# Altium PCB OctopusPB_r0102.PcbDoc (part 3 of 10) (continued)
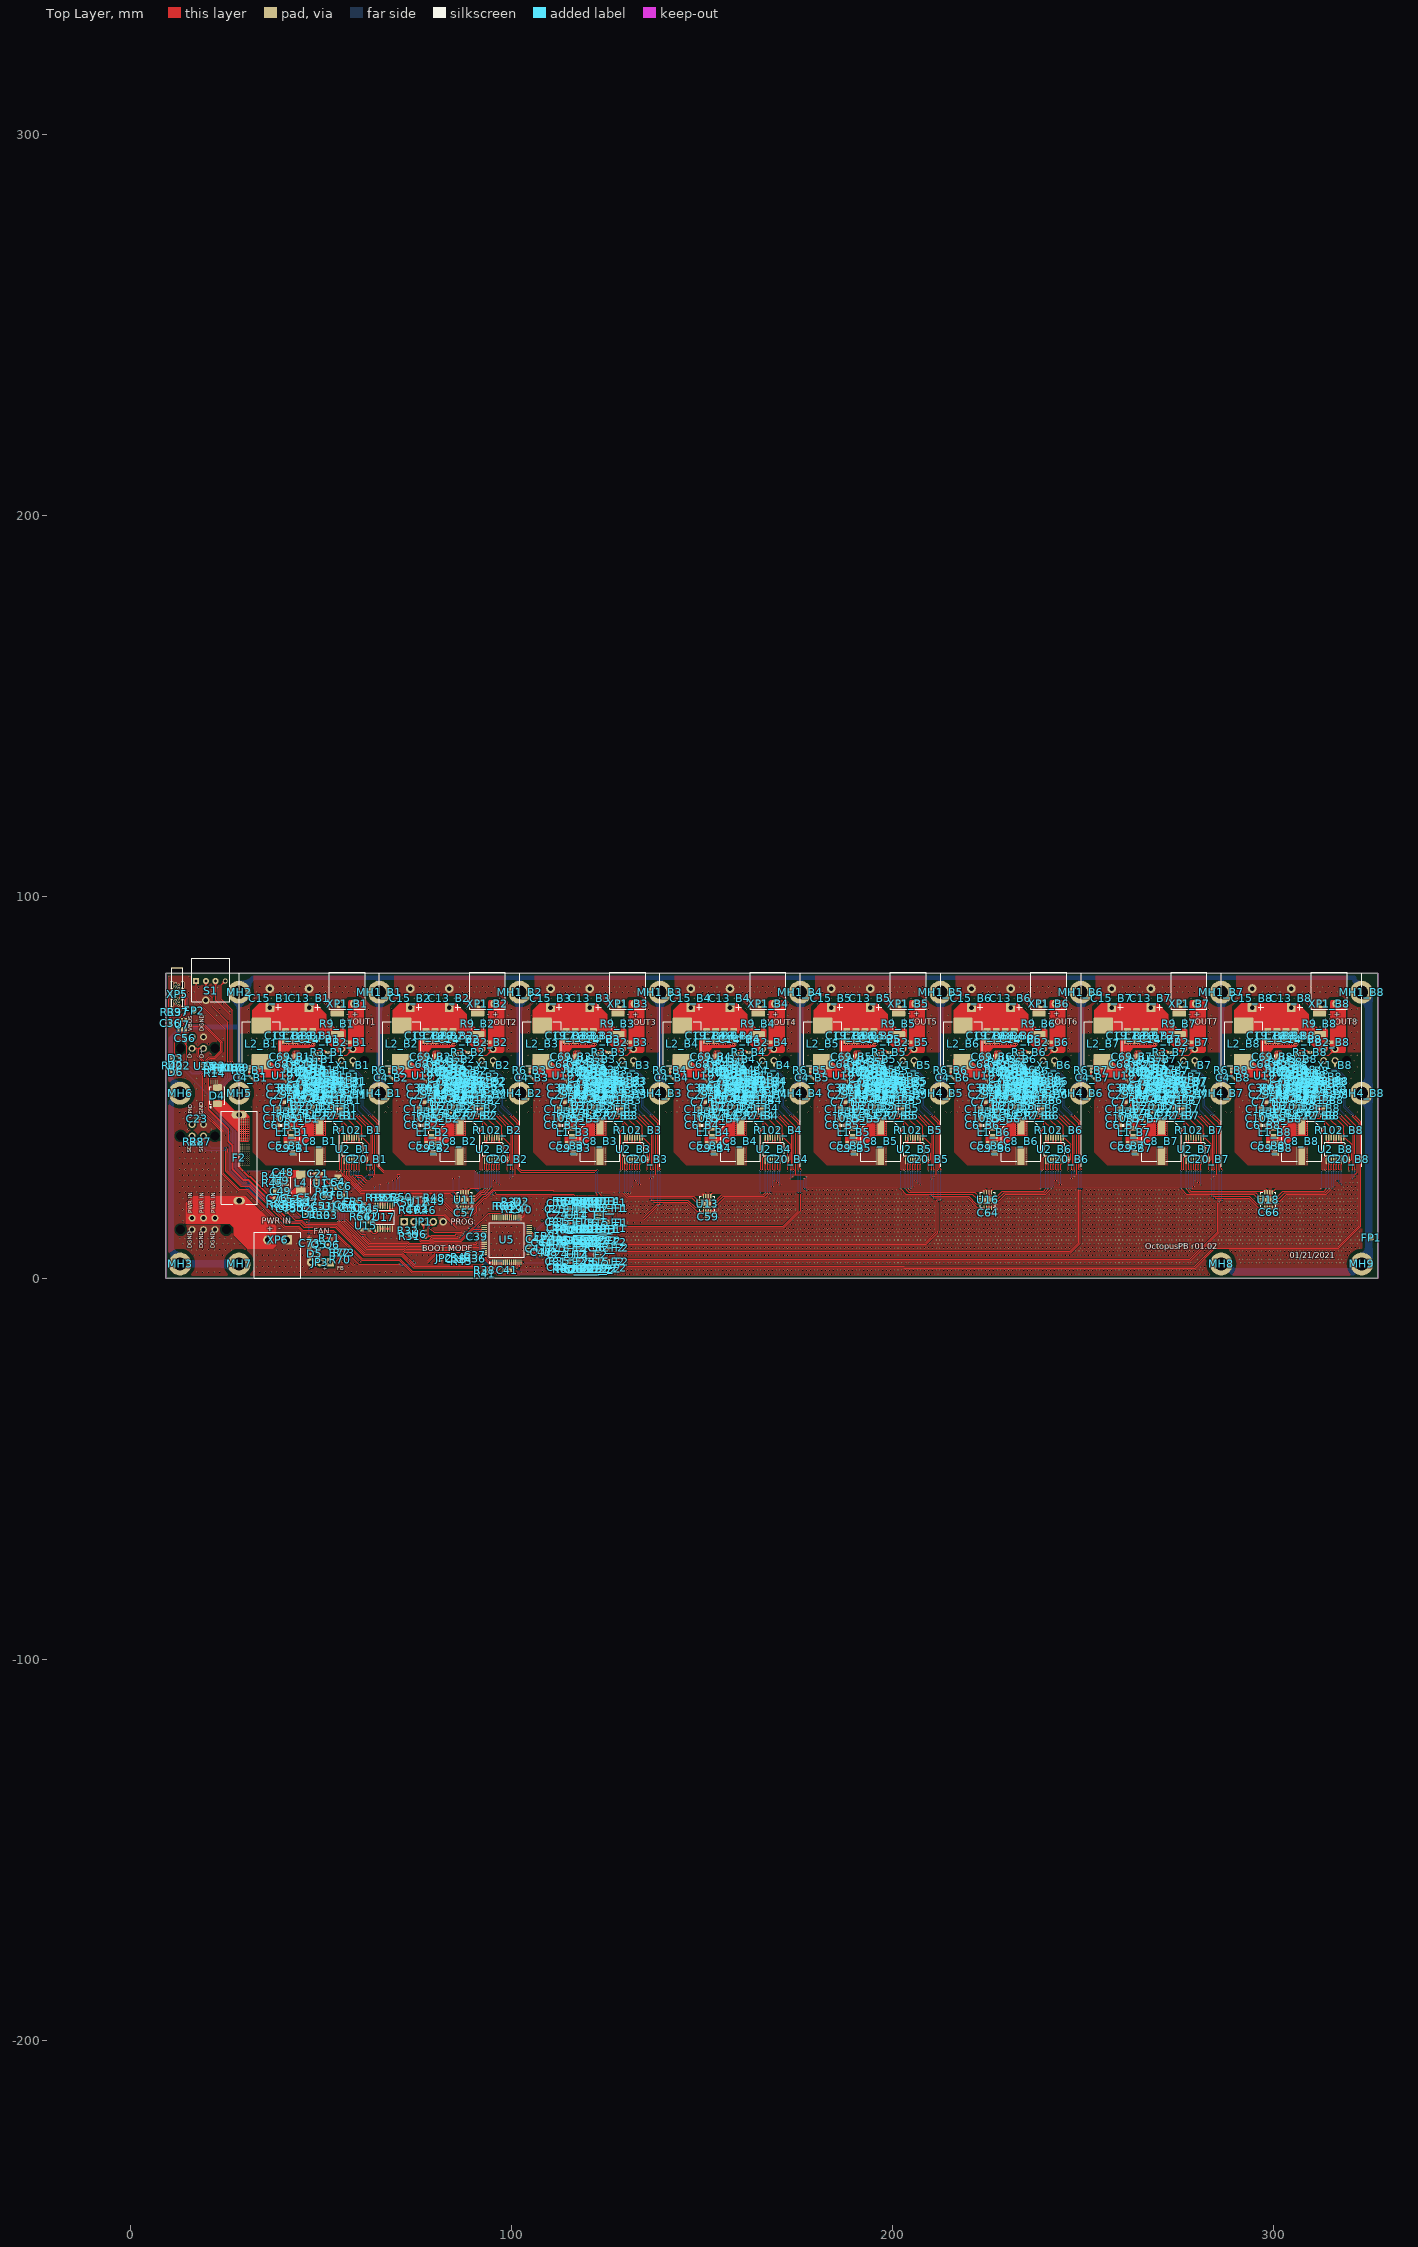
[diagram p0: Top Layer view]
## Nets (pads, with @x,y where several pads share a name; then routed paths per layer and width w, separated by ;. In a path a pad name is that pad's centre, name@x,y a point inside that pad or via, vN(x,y) a via of type N, cw(c..) or ccw(c..) an arc to the next point about the centre after c; other vN are vias at no path point) (continued)
  Top Layer w0.5: U10.5@54.6,19.72 54.85,19.72 55.92,18.65 56.15,18.65 C50.1@56.337,18.463 ; C50.1@56.325,18.45 56.35,18.45 56.65,18.75 57.45,18.75 57.52,18.82 C60.1@57.54,18.82 ; C60.1@57.532,18.68 57.625,18.68 C51.1@58.675,18.675 ; C60.1@57.625,18.69 57.685,18.75 57.685,19.808 FB5.1@57.852,19.975 ; C51.1@58.615,18.77 C51.1@58.675,18.71
  Layer 2 w0.3: 102.725,9.975 v1(107.325,9.975)
  Bottom Layer w0.3: v1(51.85,42.85) 51.875,42.85 52.975,43.95 55.25,43.95 56.1,43.1 v1(57.4,43.1) ; v1(88.675,42.85) 88.7,42.85 89.8,43.95 92.075,43.95 92.925,43.1 v1(94.225,43.1) ; v1(107.325,9.975) 108.74,9.975 108.865,10.1 111.473,10.1 111.898,9.675 v1(111.925,9.675) ; v1(125.5,42.85) 125.525,42.85 126.625,43.95 128.9,43.95 129.75,43.1 v1(131.05,43.1) ; v1(162.325,42.85) 162.35,42.85 163.45,43.95 165.725,43.95 166.575,43.1 v1(167.875,43.1) ; v1(199.15,42.85) 199.175,42.85 200.275,43.95 202.55,43.95 203.4,43.1 v1(204.7,43.1) ; v1(235.975,42.85) 236,42.85 237.1,43.95 239.375,43.95 240.225,43.1 v1(241.525,43.1) ; v1(272.8,42.85) 272.825,42.85 273.925,43.95 276.2,43.95 277.05,43.1 v1(278.35,43.1) ; v1(309.625,42.85) 309.65,42.85 310.75,43.95 313.025,43.95 313.875,43.1 v1(315.175,43.1)
  other v1: 59.525,17.575 59.525,18.025 59.5,18.475 59.5,18.9 98.825,28.2 135.65,28.2 172.475,28.2 209.3,28.2 246.125,28.2 282.95,28.2 319.775,28.2
3V3_CLK: C61.1 C62.1 C65.1 FB5.2 U15.4 U17.1 U17.3 U17.4 U17.5 U17.6 U17.7 U17.9 U17.10 U17.16 | length 27.9
  Top Layer w0.3: FB5.2@59.348,19.975 59.623,19.7 60.875,19.7 C61.1@61.15,19.425 62.275,19.425 62.35,19.35 62.375,19.35 62.658,19.067 62.658,18.658 C65.1@62.815,18.5 ; U17.1@64.2,12.925 64.2,13.6 63.35,14.45 ; U17.7@68.1,12.925 U17.6@67.45,12.925 U17.5@66.8,12.925 U17.4@66.15,12.925 U17.3@65.5,12.925 65.49,12.935 65.49,13.91 64.95,14.45 63.35,14.45 ; U17.10@68.1,19.025 68.09,19.015 68.09,17.816 67.799,17.525 ; U17.9@68.75,19.025 68.76,19.015 68.76,17.915 68.775,17.9 68.4,17.525 67.799,17.525 ; C65.1@62.815,18.5 63.375,17.94 63.375,16.76 C62.1@62.74,16.125 62.74,14.815 U15.4@62.675,14.75 62.975,14.45 63.35,14.45 ; C65.1@62.815,18.5 64.177,18.5 64.2,18.523 U17.16@64.2,19.025 64.21,19.015 64.21,17.865 64.55,17.525 67.799,17.525
3V3A: C1.1 C24_F1.2 C24_F2.2 C43.1 C44.1 FB3.2 U5.23 U14_F1.4 U14_F2.4 | length 14.9
  Top Layer w0.2: v1(115.075,16.015) 115.065,16.025 C24_F1.2@115.065,16.615 115.24,16.44 U14_F1.4@116.825,16.44 ; v1(115.125,5.665) 115.115,5.675 C24_F2.2@115.115,6.265 115.29,6.09 U14_F2.4@116.875,6.09
  Top Layer w0.25: 105.529,9.269 104.626,9.269 U5.23@104.616,9.259 105.529,9.259 105.988,9.259 106.297,8.95 107.985,8.95 C44.1@108.1,8.835 108.15,8.885 C1.1@109.15,8.885 109.29,9.025 110.725,9.025 C43.1@110.95,9.25 110.925,9.25 110.6,9.575 110.6,9.798 109.423,10.975 FB3.2@109.423,11
  other v1: 108.625,8.875 107.6,8.925
5V: C53.1 D1.1 U10.1 U10.3 U26.B2 | length 11.1
  Top Layer w0.3: D1.1@46,16.775 46.15,16.775 46.575,17.2 v1(46.575,17.35) U26.B2@46.575,18.125 ; v1(48.85,17.5) 48.869,17.519 49.769,17.519 C53.1@50.125,17.875 50.18,17.82 U10.3@52,17.82
  Top Layer w0.5: U10.1@51.985,19.735 U10.1@52,19.72 52.05,19.67 52.83,19.67 53.1,19.4 53.1,18.2 52.77,17.87 52.05,17.87 U10.3@52,17.82
  Bottom Layer w0.3: v1(46.575,17.35) 47.9,17.35 48.012,17.462 48.812,17.462 v1(48.85,17.5)
5V_BUCK: C55.1 C73.1 D7.2 FB4.2 Q5.2 R64.2 R71.1 U26.B1 U26.C2 | length 24.8
  Top Layer w0.2: Q5.2@48.6,9.7 48.6,9.75 49.325,10.475 51.82,10.475 R71.1@51.845,10.45
  Top Layer w0.3: C55.1@43.123,18.433 43.123,19.418 R64.2@43.13,19.425 ; R64.2@43.265,19.25 44.275,19.25 FB4.2@44.575,18.95 ; FB4.2@44.7,18.825 FB4.2@44.575,18.95 ; U26.C2@46.05,18.125 45.65,18.125 45.4,17.875 43.685,17.875 43.245,18.315 43.225,18.315 43.225,17.7 45.55,15.375 46.65,15.375 v1(46.85,15.175) ; D7.2@46.1,19.85 45.775,19.85 44.9,18.975 44.6,18.975 FB4.2@44.575,18.95 ; D7.2@46.225,19.825 46.575,19.475 U26.B1@46.575,18.625
  Top Layer w0.5: v1(46.725,11.275) 46.725,10.35 C73.1@47.025,10.05 47.35,9.725 48.25,9.725 48.275,9.7 Q5.2@48.6,9.7
  Bottom Layer w0.5: v1(46.725,11.275) 46.775,11.325 46.775,15 v1@46.85,15.075
19V: C6.1 C12_B1.1 C12_B2.1 C12_B3.1 C12_B4.1 C12_B5.1 C12_B6.1 C12_B7.1 C12_B8.1 FB1.2 U3_B1.5 U3_B2.5 U3_B3.5 U3_B4.5 U3_B5.5 U3_B6.5 U3_B7.5 U3_B8.5 | length 572.2
  Top Layer w0.3: U3_B1.5@50.025,56.125 50.025,55.875 50.45,55.45 v1(50.45,55.2) 50.45,54.65 C12_B1.1@50.7,54.4 ; FB1.2@55.873,21.7 56.074,21.901 56.074,23.024 C6.1@56.275,23.225 56.325,23.275 57.2,23.275 v1(57.15,23.225) ; v1(60.975,42.75) 64.15,39.575 64.15,27.15 ; v1(62.2,27.1) 63.176,27.1 63.201,27.125 70.072,27.125 70.122,27.175 70.578,27.175 70.628,27.125 321.35,27.125 321.925,27.7 321.925,39.575 v1(318.75,42.75) ; U3_B2.5@86.85,56.125 86.85,55.875 87.275,55.45 v1(87.275,55.2) 87.275,54.65 C12_B2.1@87.525,54.4 ; v1(97.8,42.75) 100.975,39.575 100.975,27.15 ; U3_B3.5@123.675,56.125 123.675,55.875 124.1,55.45 v1(124.1,55.2) 124.1,54.65 C12_B3.1@124.35,54.4 ; v1(134.625,42.75) 137.8,39.575 137.8,27.15 ; U3_B4.5@160.5,56.125 160.5,55.875 160.925,55.45 v1(160.925,55.2) 160.925,54.65 C12_B4.1@161.175,54.4 ; v1(171.45,42.75) 174.625,39.575 174.625,27.15 ; U3_B5.5@197.325,56.125 197.325,55.875 197.75,55.45 v1(197.75,55.2) 197.75,54.65 C12_B5.1@198,54.4 ; v1(208.275,42.75) 211.45,39.575 211.45,27.15 ; U3_B6.5@234.15,56.125 234.15,55.875 234.575,55.45 v1(234.575,55.2) 234.575,54.65 C12_B6.1@234.825,54.4 ; v1(245.1,42.75) 248.275,39.575 248.275,27.15 ; U3_B7.5@270.975,56.125 270.975,55.875 271.4,55.45 v1(271.4,55.2) 271.4,54.65 C12_B7.1@271.65,54.4 ; v1(281.925,42.75) 285.1,39.575 285.1,27.15 ; U3_B8.5@307.8,56.125 307.8,55.875 308.225,55.45 v1(308.225,55.2) 308.225,54.65 C12_B8.1@308.475,54.4
  Bottom Layer w0.3: v1(50.45,55.2) 52.225,53.425 55.975,53.425 59.675,49.725 59.675,44.05 v1(60.975,42.75) ; v1(57.15,23.225) 58.325,23.225 v1(62.2,27.1) ; v1(87.275,55.2) 89.05,53.425 92.8,53.425 96.5,49.725 96.5,44.05 v1(97.8,42.75) ; v1(124.1,55.2) 125.875,53.425 129.625,53.425 133.325,49.725 133.325,44.05 v1(134.625,42.75) ; v1(160.925,55.2) 162.7,53.425 166.45,53.425 170.15,49.725 170.15,44.05 v1(171.45,42.75) ; v1(197.75,55.2) 199.525,53.425 203.275,53.425 206.975,49.725 206.975,44.05 v1(208.275,42.75) ; v1(234.575,55.2) 236.35,53.425 240.1,53.425 243.8,49.725 243.8,44.05 v1(245.1,42.75) ; v1(271.4,55.2) 273.175,53.425 276.925,53.425 280.625,49.725 280.625,44.05 v1(281.925,42.75) ; v1(308.225,55.2) 310,53.425 313.75,53.425 317.45,49.725 317.45,44.05 v1(318.75,42.75)
20-26VIN: F2.1 XP6.2 XP7.1 XP7.2 XP7.3
20-26VIN_F: C5_B1.1 C5_B2.1 C5_B3.1 C5_B4.1 C5_B5.1 C5_B6.1 C5_B7.1 C5_B8.1 C8_B1.1 C8_B2.1 C8_B3.1 C8_B4.1 C8_B5.1 C8_B6.1 C8_B7.1 C8_B8.1 C9_B1.1 C9_B2.1 C9_B3.1 C9_B4.1 C9_B5.1 C9_B6.1 C9_B7.1 C9_B8.1 C21.1 C49.1 C76.1 D4.1 F2.2 L1_B1.1 L1_B2.1 L1_B3.1 L1_B4.1 L1_B5.1 L1_B6.1 L1_B7.1 L1_B8.1 R5_B1.1 R5_B2.1 R5_B3.1 R5_B4.1 R5_B5.1 R5_B6.1 R5_B7.1 R5_B8.1 R82.1 U1.1 U1.3 U9.4 U9.5 | length 66.3
  Top Layer w0.2: 45.1,40.5 R5_B1.1@45.1,41.295 ; 81.925,40.5 R5_B2.1@81.925,41.295 ; 118.75,40.5 R5_B3.1@118.75,41.295 ; 155.575,40.5 R5_B4.1@155.575,41.295 ; 192.4,40.5 R5_B5.1@192.4,41.295 ; 229.225,40.5 R5_B6.1@229.225,41.295 ; 266.05,40.5 R5_B7.1@266.05,41.295 ; 302.875,40.5 R5_B8.1@302.875,41.295
  Top Layer w0.3: 45.075,40.375 45.075,40.475 45.1,40.5 ; v1(47.5,27.35) 48.425,27.35 C21.1@48.475,27.4 48.475,25.925 48.625,25.775 U1.1@48.675,25.775 48.525,25.625 47.8,25.625 47.6,25.425 47.6,24.558 47.983,24.175 48.075,24.175 48.375,23.875 U1.3@48.675,23.875 ; 81.9,40.375 81.9,40.475 81.925,40.5 ; 118.725,40.375 118.725,40.475 118.75,40.5 ; 155.55,40.375 155.55,40.475 155.575,40.5 ; 192.375,40.375 192.375,40.475 192.4,40.5 ; 229.2,40.375 229.2,40.475 229.225,40.5 ; 266.025,40.375 266.025,40.475 266.05,40.5 ; 302.85,40.375 302.85,40.475 302.875,40.5
  Top Layer w0.5: F2.2@28.475,42.825 F2.2@28.5,42.85 28.3,42.65 28.3,29.381 28.706,28.975 31.09,26.59 31.435,26.59 36.925,21.1 C76.1@37.5,21.1 ; R82.1@38.178,19.672 38.207,19.7 38.207,19.75 37.9,20.056 37.9,20.675 C76.1@37.7,20.875 37.825,21 37.825,22.7 C49.1@37.95,22.825 37.95,22.85 38.225,23.125 38.875,23.125 40.275,24.525 U9.4@40.925,24.525 U9.5@40.925,25.475
  Bottom Layer w0.3: v1(29.6,28.125) 29.675,28.2 45.3,28.2 46.15,27.35 46.297,27.35 46.372,27.275 46.828,27.275 46.903,27.35 v1(47.5,27.35)
  other v1: 28.9,36.2 29.4,36.2 29.9,36.2 30.4,36.2 30.9,36.2 28.9,36.7 29.4,36.7 29.9,36.7 30.4,36.7 30.9,36.7 28.9,37.2 29.4,37.2 29.9,37.2 30.4,37.2 30.9,37.2 28.9,37.7 29.4,37.7 29.9,37.7 30.4,37.7 30.9,37.7 48.35,37.725 50.9,37.725 85.175,37.725 87.725,37.725 122,37.725 124.55,37.725 158.825,37.725 161.375,37.725 195.65,37.725 198.2,37.725 232.475,37.725 235.025,37.725 269.3,37.725 271.85,37.725 306.125,37.725 308.675,37.725 28.9,38.2 29.4,38.2 29.9,38.2 30.4,38.2 30.9,38.2 48.35,38.25 50.9,38.25 85.175,38.25 87.725,38.25 122,38.25 124.55,38.25 158.825,38.25 161.375,38.25 195.65,38.25 198.2,38.25 232.475,38.25 235.025,38.25 269.3,38.25 271.85,38.25 306.125,38.25 308.675,38.25 28.9,38.7 29.4,38.7 29.9,38.7 30.4,38.7 30.9,38.7 48.35,38.775 85.175,38.775 122,38.775 158.825,38.775 195.65,38.775 232.475,38.775 269.3,38.775 306.125,38.775 50.9,38.8 87.725,38.8 124.55,38.8 161.375,38.8 198.2,38.8 235.025,38.8 271.85,38.8 308.675,38.8 28.9,39.2 29.4,39.2 29.9,39.2 30.4,39.2 30.9,39.2 48.35,39.3 85.175,39.3 122,39.3 158.825,39.3 195.65,39.3 232.475,39.3 269.3,39.3 306.125,39.3 50.9,39.325 87.725,39.325 124.55,39.325 161.375,39.325 198.2,39.325 235.025,39.325 271.85,39.325 308.675,39.325 28.9,39.7 29.4,39.7 29.9,39.7 30.4,39.7 30.9,39.7 48.35,39.825 85.175,39.825 122,39.825 158.825,39.825 195.65,39.825 232.475,39.825 269.3,39.825 306.125,39.825 50.9,39.85 87.725,39.85 124.55,39.85 161.375,39.85 198.2,39.85 235.025,39.85 271.85,39.85 308.675,39.85 28.9,40.2 29.4,40.2 29.9,40.2 30.4,40.2 30.9,40.2 48.35,40.35 85.175,40.35 122,40.35 158.825,40.35 195.65,40.35 232.475,40.35 269.3,40.35 306.125,40.35 50.9,40.375 87.725,40.375 124.55,40.375 161.375,40.375 198.2,40.375 235.025,40.375 271.85,40.375 308.675,40.375 28.9,40.7 29.4,40.7 29.9,40.7 30.4,40.7 30.9,40.7 48.35,40.875 50.9,40.875 85.175,40.875 87.725,40.875 122,40.875 124.55,40.875 158.825,40.875 161.375,40.875 195.65,40.875 198.2,40.875 232.475,40.875 235.025,40.875 269.3,40.875 271.85,40.875 306.125,40.875 308.675,40.875 28.9,41.2 29.4,41.2 29.9,41.2 30.4,41.2 30.9,41.2 48.35,41.4 50.9,41.4 85.175,41.4 87.725,41.4 122,41.4 124.55,41.4 158.825,41.4 161.375,41.4 195.65,41.4 198.2,41.4 232.475,41.4 235.025,41.4 269.3,41.4 271.85,41.4 306.125,41.4 308.675,41.4 28.9,41.7 29.4,41.7 29.9,41.7 30.4,41.7 30.9,41.7 50.9,41.9 87.725,41.9 124.55,41.9 161.375,41.9 198.2,41.9 235.025,41.9 271.85,41.9 308.675,41.9 48.35,41.925 85.175,41.925 122,41.925 158.825,41.925 195.65,41.925 232.475,41.925 269.3,41.925 306.125,41.925
AGND: C1.2 C24_F1.1 C24_F2.1 C43.2 C44.2 C45.2 C46.2 C47.2 C58_F1.2 C58_F2.2 C78_F1.2 C78_F2.2 C79_F1.2 C79_F2.2 C80_F1.2 C80_F2.2 C86_F1.2 C86_F2.2 C87_F1.2 C87_F2.2 C88_F1.2 C88_F2.2 C89_F1.2 C89_F2.2 R22_F1.1 R22_F2.1 R75_F1.1 R75_F2.1 R76_F1.1 R76_F2.1 R77_F1.1 R77_F2.1 U5.20 U5.21 U8.3 U14_F1.11 U14_F2.11 X3.1 | length 29.7
  Top Layer w0.3: U5.21@104.616,8.259 105.216,8.259 105.35,8.125 105.35,7.893 105.632,7.893 106.06,7.465 106.34,7.465 106.395,7.41 106.395,7.37 106.66,7.105 106.737,7.105 107.059,6.783 107.059,6.691 107.775,5.975 C46.2@107.8,5.975 ; C44.2@108.1,9.715 109.1,9.715 C1.2@109.15,9.765 109.15,9.745 109.31,9.585 109.783,9.585 109.798,9.569 110.006,9.569 v1(110.025,9.55) ; C43.2@110.95,10.85 C45.2@112.45,10.85 ; C24_F1.1@114.185,16.615 114.225,16.575 v1(114.225,16.04) ; C24_F2.1@114.235,6.265 114.275,6.225 v1(114.275,5.69) ; C78_F1.2@115.015,19.59 115.05,19.625 v1(115.05,20.215) ; C78_F2.2@115.065,9.24 115.1,9.275 v1(115.1,9.865) ; C86_F1.2@115.065,13.19 115.075,13.18 v1(115.075,12.55) ; C86_F2.2@115.115,2.84 115.125,2.83 v1(115.125,2.2) ; v1(117.806,20.951) 117.806,20.934 117.985,20.755 118.215,20.755 R75_F1.1@118.35,20.62 119.315,20.62 C58_F1.2@119.35,20.655 C58_F1.2@119.415,20.59 ; v1(117.881,11.976) 117.908,11.976 117.997,12.065 118.19,12.065 R76_F1.1@118.325,12.2 118.34,12.215 C88_F1.2@119.325,12.215 ; v1(117.931,1.626) 117.958,1.626 118.047,1.715 118.24,1.715 R76_F2.1@118.375,1.85 118.39,1.865 C88_F2.2@119.375,1.865 ; v1(117.981,10.551) 118,10.531 118.099,10.531 118.36,10.27 119.365,10.27 C58_F2.2@119.4,10.305 ; R77_F1.1@120.325,20.625 121.245,20.625 C89_F1.2@121.275,20.655 121.275,20.675 121.435,20.835 121.71,20.835 v1(121.775,20.9) ; C80_F1.2@120.35,12.215 120.36,12.225 R22_F1.1@121.325,12.225 121.46,12.09 121.635,12.09 121.749,11.976 v1(121.756,11.976) ; R77_F2.1@120.375,10.275 121.295,10.275 C89_F2.2@121.325,10.305 121.325,10.325 121.485,10.485 121.76,10.485 v1(121.825,10.55) ; C80_F2.2@120.4,1.865 120.41,1.875 R22_F2.1@121.375,1.875 121.51,1.74 121.685,1.74 121.799,1.626 v1(121.806,1.626) ; v1(121.425,16.45) 122.715,16.45 U14_F1.11@122.725,16.44 ; v1(121.475,6.1) 122.765,6.1 U14_F2.11@122.775,6.09 ; v1(124.4,20.415) 124.4,19.85 C87_F1.2@124.485,19.765 ; v1(124.45,10.065) 124.45,9.5 C87_F2.2@124.535,9.415 ; C79_F1.2@124.51,13.09 124.53,13.09 124.69,12.93 124.69,12.517 v1(124.731,12.476) ; C79_F2.2@124.56,2.74 124.58,2.74 124.74,2.58 124.74,2.167 v1(124.781,2.126)
  other v1: 125.916,0.984 126.916,0.984 102.525,1.675 104.175,1.675 106.05,1.675 111.825,1.675 113.925,1.675 108.125,1.725 127.15,2.1 103.916,2.984 104.916,2.984 105.916,2.984 106.916,2.984 107.916,2.984 108.916,2.984 109.916,2.984 110.916,2.984 111.916,2.984 112.916,2.984 109.416,3.984 110.416,3.984 111.416,3.984 112.416,3.984 113.416,3.984 118.975,4.35 105.2,4.725 108.2,4.75 111.916,4.984 112.916,4.984 127.1,5.725 112.416,5.984 118.416,5.984 119.416,5.984 125.416,5.984 108.625,6.9 113.416,7.984 126.416,7.984 127.15,8 126.416,9.984 125.916,10.984 126.916,10.984 107.175,11.85 126.416,11.984 106.1,13 113.416,13.984 120.416,13.984 112.916,14.984 108.075,15 119.5,15.275 112.6,16.425 124.916,16.984 125.916,16.984 126.916,16.984 110.2,17.1 119.416,17.984 120.416,17.984 126.416,17.984 111.875,18.6 112.916,18.984 118.916,18.984 119.916,18.984 126.916,18.984 113.416,19.984 126.416,19.984 115.325,20.975 125.916,20.984 124.125,21.475 117.4,21.5 119.875,21.5 121.95,21.5
BUCK_CTRL_A1: U2_B1.11 U11.7 | length 36.3
  Top Layer w0.2: U2_B1.11@57.375,30.8 57.375,28.25 57.325,28.2 57.35,28.175 57.35,26.843 60.743,23.45 86.95,23.45 87.321,23.079 87.321,22.529 U11.7@87.346,22.504 ; U11.7@87.346,22.354 U11.7@87.346,22.504 ; U11.7@87.35,22.5 U11.7@87.346,22.504
  other v1: 57.35,28.2
BUCK_CTRL_A2: U2_B2.11 U11.2 | length 13.4
  Top Layer w0.2: U11.2@89.675,20.175 90.5,20.175 92.325,22 92.907,22 94.3,23.393 v1(94.3,23.4) ; v1@94.2,28.25 U2_B2.11@94.2,30.8
  Bottom Layer w0.2: v1(94.2,28.2) 94.2,28.146 94.3,28.046 v1(94.3,23.4)
BUCK_CTRL_A3: U2_B3.11 U13.7 | length 28.7
  Top Layer w0.2: v1@131.025,28.25 U2_B3.11@131.025,30.8 ; v1(131.125,22.4) 150.547,22.4 151,21.947 U13.7@151,21.5
  Bottom Layer w0.2: v1@131.125,22.425 v1@131.125,28.046
  other v1: 131.025,28.2
BUCK_CTRL_A4: U2_B4.11 U13.2 | length 24.1
  Top Layer w0.2: U13.2@153.325,19.175 153.35,19.2 154.05,19.2 155.95,21.1 166.657,21.1 167.95,22.393 v1(167.95,22.4) ; v1@167.85,28.25 U2_B4.11@167.85,30.8
  Bottom Layer w0.2: v1@167.95,22.425 v1@167.95,28.046
  other v1: 167.85,28.2
BUCK_CTRL_A5: U2_B5.11 U16.7 | length 27.7
  Top Layer w0.2: v1@204.675,28.25 U2_B5.11@204.675,30.8 ; v1(204.775,23.4) 224.197,23.4 224.65,22.947 U16.7@224.65,22.5
  Bottom Layer w0.2: v1(204.775,23.4) v1@204.775,28.046
  other v1: 204.675,28.2
BUCK_CTRL_A6: U2_B6.11 U16.2 | length 23.2
  Top Layer w0.2: U16.2@226.975,20.175 227.875,20.175 229.65,21.95 240.157,21.95 241.6,23.393 v1(241.6,23.4) ; v1@241.5,28.25 U2_B6.11@241.5,30.8
  Bottom Layer w0.2: v1(241.6,23.4) v1@241.6,28.046
  other v1: 241.5,28.2
BUCK_CTRL_A7: U2_B7.11 U18.7 | length 27.7
  Top Layer w0.2: v1@278.325,28.25 U2_B7.11@278.325,30.8 ; v1(278.425,23.4) 297.847,23.4 298.3,22.947 U18.7@298.3,22.5
  Bottom Layer w0.2: v1(278.425,23.4) v1@278.425,28.046
  other v1: 278.325,28.2
BUCK_CTRL_A8: U2_B8.11 U18.2 | length 23.2
  Top Layer w0.2: U18.2@300.625,20.175 301.575,20.175 303.4,22 313.857,22 315.25,23.393 v1(315.25,23.4) ; v1@315.15,28.25 U2_B8.11@315.15,30.8
  Bottom Layer w0.2: v1(315.25,23.4) v1@315.25,28.046
  other v1: 315.15,28.2
BUCK_CTRL_B1: U2_B1.10 U11.8 | length 35.9
  Top Layer w0.2: U2_B1.10@56.725,30.8 v1(56.725,28.2) 56.725,26.902 60.577,23.05 86.534,23.05 86.7,22.884 U11.8@86.7,22.5
BUCK_CTRL_B2: U2_B2.10 U11.3 | length 12.4
  Top Layer w0.2: U11.3@89.675,20.825 90.5,20.825 92.171,22.496 92.704,22.496 93.6,23.393 v1(93.6,23.4) ; v1(93.55,28.2) U2_B2.10@93.55,30.8
  Bottom Layer w0.2: v1(93.55,28.2) 93.575,28.175 93.575,23.425 v1(93.6,23.4)
BUCK_CTRL_B3: U2_B3.10 U13.8 | length 28.8
  Top Layer w0.2: v1(130.375,28.2) U2_B3.10@130.375,30.8 ; v1(130.425,22.4) 130.425,22.393 130.918,21.9 150.281,21.9 150.35,21.831 U13.8@150.35,21.5
  Bottom Layer w0.2: v1@130.4,22.425 v1@130.4,28.175
BUCK_CTRL_B4: U2_B4.10 U13.3 | length 23.3
  Top Layer w0.2: U13.3@153.325,19.825 153.9,19.825 155.575,21.5 166.357,21.5 167.25,22.393 v1(167.25,22.4) ; v1(167.2,28.2) U2_B4.10@167.2,30.8
  Bottom Layer w0.2: v1@167.225,22.425 v1@167.225,28.175